# KiCad board ecpbreaker.kicad_pcb
title: ECPBreaker; date: 2020-12-28; rev: V0.1; company: GsD; note: 2020 (C) Greg Davill  <greg.davill@gmail.com>; note: License: CC-BY-SA 4.0
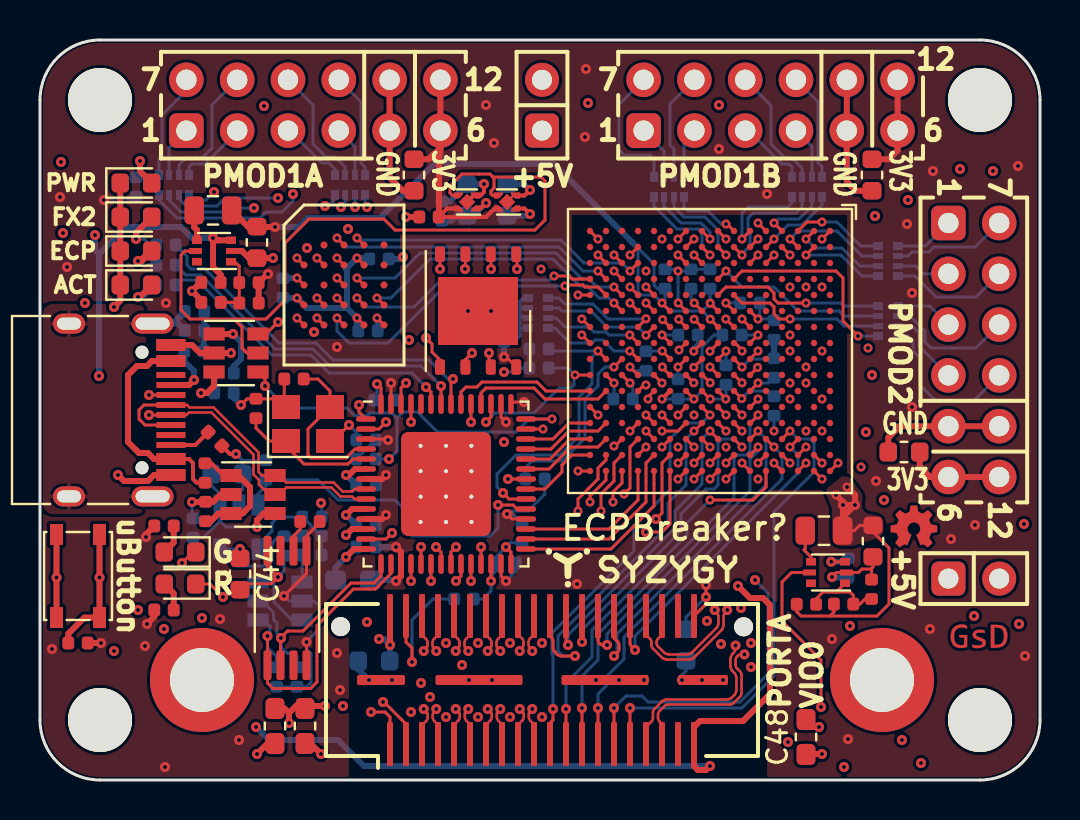
[diagram p0: board, top side]
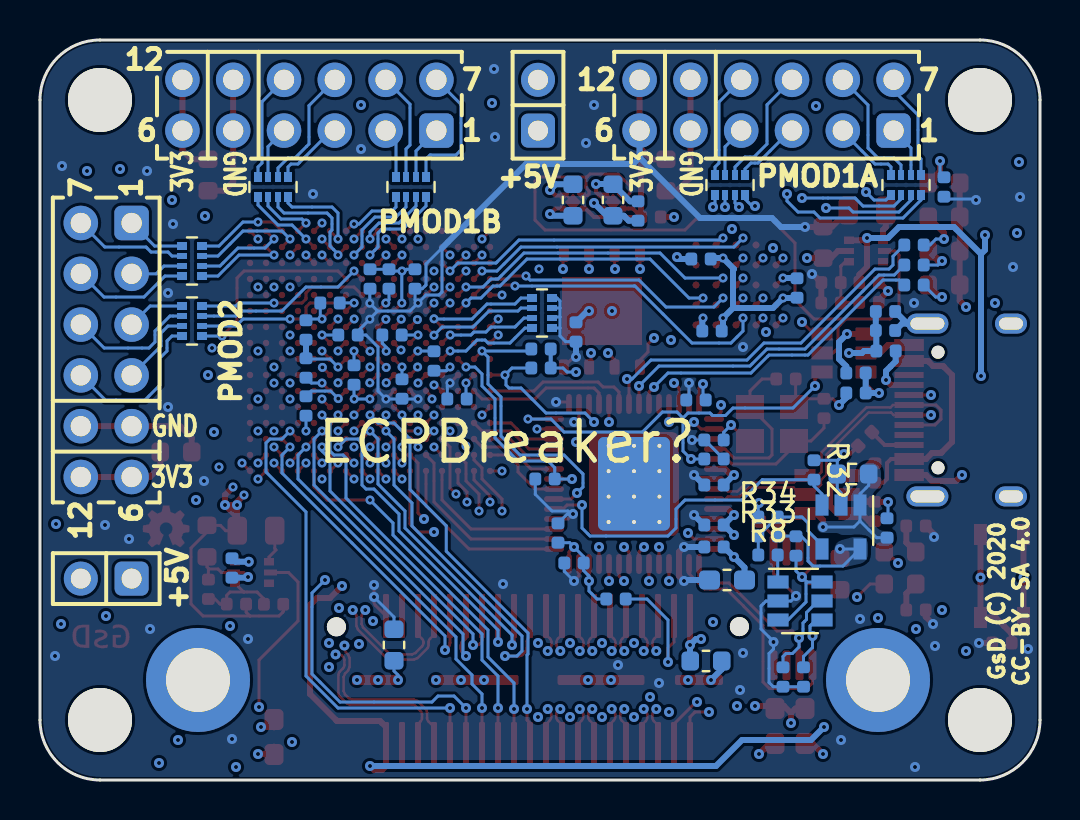
[diagram p1: board, bottom side, seen from below]

Outline 50 x 37 mm; copper layers: Top, In1.Cu, In2.Cu, In3.Cu, In4.Cu, Bottom. Coordinates in mm from the lower left corner of the outline.
Outline path: 0,34 arc(0.88,36.12) 3,37 47,37 arc(49.12,36.12) 50,34 50,3 arc(49.12,0.88) 47,0 3,0 arc(0.88,0.88) 0,3 0,34
Stack: Top 0.035mm / dielectric 0.274mm FR4 er 4.5 / In1.Cu 0.035mm / dielectric 0.274mm FR4 er 4.5 / In2.Cu 0.035mm / dielectric 0.274mm FR4 er 4.5 / In3.Cu 0.035mm / dielectric 0.274mm FR4 er 4.5 / In4.Cu 0.035mm / dielectric 0.274mm FR4 er 4.5 / Bottom 0.035mm

## Placement (name value [footprint] x y rotation side)
C1  4.7uF  [C_0603_1608Metric_Pad1.05x0.95mm_HandSolder]  15.65 10 180 bottom
C2  0.1uF  [C_0402_1005Metric]  29.15 19.05 180 bottom
C3  0.1uF  [C_0402_1005Metric]  32.55 25.05 90 bottom
C4  0.1uF  [C_0402_1005Metric]  16.3 11.65 180 bottom
C5  0.1uF  [C_0402_1005Metric]  34.6 22.25 0 bottom
C6  0.1uF  [C_0402_1005Metric]  16.3 14.75 180 bottom
C7  0.1uF  [C_0402_1005Metric]  31.25 25.05 90 bottom
C8  0.1uF  [C_0402_1005Metric]  34.3 20.25 90 bottom
C9  0.1uF  [C_0402_1005Metric]  16.3 12.75 180 bottom
C10  0.1uF  [C_0402_1005Metric]  24.1 12.35 270 bottom
C11  0.1uF  [C_0402_1005Metric]  31.9 19.55 90 bottom
C12  0.1uF  [C_0402_1005Metric]  17.2 19 180 bottom
C13  0.1uF  [C_0402_1005Metric]  16.3 17 180 bottom
C14  0.1uF  [C_0402_1005Metric]  23.3 10.85 180 bottom
C15  4.7uF  [C_0402_1005Metric]  8.55 24.88 180 top
C16  18p  [C_0402_1005Metric]  12.7 20.05 180 top
C17  18p  [C_0402_1005Metric]  10.8 18.58 90 top
C18  0.1uF  [C_0402_1005Metric]  8.27 13.42 90 top
C19  0.1uF  [C_0402_1005Metric]  7.73 22.48 0 bottom
C20  0.1uF  [C_0402_1005Metric]  20.1 28.45 90 bottom
C21  0.1uF  [C_0402_1005Metric]  16.4 22.45 0 bottom
C22  0.1uF  [C_0402_1005Metric]  23.2 22.4 90 bottom
C23  4.7uF  [C_0402_1005Metric]  40.4 10.6 270 bottom
C24  10uF  [C_0603_1608Metric]  23.35 29 90 bottom
C25  1uF  [C_0402_1005Metric]  36.7 18.7 270 bottom
C26  6.8pF  [C_0402_1005Metric]  10.45 23.85 180 top
C27  6.8pF  [C_0402_1005Metric]  40.18 8.8 0 top
C28  10uF  [C_0603_1608Metric]  10.85 26.88 270 top
C29  10uF  [C_0603_1608Metric]  41.65 11.94 270 top
C30  1uF  [C_0402_1005Metric]  33.5 25.05 90 bottom
C31  1uF  [C_0402_1005Metric]  35.5 23.85 0 bottom
C32  DNP  [C_0603_1608Metric]  18.7 30.25 90 top
C33  DNP  [C_0603_1608Metric]  41.6 30.25 90 top
C34  DNP  [C_0603_1608Metric]  43.2 16.4 0 top
C35  0.1uF  [C_0402_1005Metric]  36.7 20.6 270 bottom
C36  0.1uF  [C_0402_1005Metric]  30.3 20.95 270 bottom
C37  0.1uF  [C_0402_1005Metric]  32.4 22.25 0 bottom
C38  0.1uF  [C_0402_1005Metric]  36.7 22.5 90 bottom
C39  10uF  [C_0603_1608Metric]  16.7 5.95 180 bottom
C40  10uF  [C_0603_1608Metric]  32.3 6.75 270 bottom
C41  0.1uF  [C_0402_1005Metric]  12.15 24.6 90 bottom
C42  10uF  [C_0603_1608Metric]  21.35 29 90 bottom
C43  1uF  [C_0402_1005Metric]  16.95 26.05 0 bottom
C44  4.7uF  [C_0603_1608Metric]  10 10.3 270 top
C45  0.1uF  [C_0402_1005Metric]  12.2 11.7 270 bottom
C46  4.7uF  [C_0603_1608Metric]  9.35 15.3 0 bottom
C47  0.1uF  [C_0402_1005Metric]  7.65 12.6 90 bottom
C48  22uF  [C_0603_1608Metric_Pad1.05x0.95mm_HandSolder]  38.3 2.15 90 top
C49  22uF  [C_0603_1608Metric_Pad1.05x0.95mm_HandSolder]  13.25 2.7 90 top
C50  22uF  [C_0603_1608Metric_Pad1.05x0.95mm_HandSolder]  11.75 2.7 90 top
C51  4.7uF  [C_0402_1005Metric]  19.45 28.15 180 top
D1  GRN  [LED_0603_1608Metric]  4.8 29.85 0 top
D2  GRN  [LED_0603_1608Metric]  4.8 28.15 0 top
D3  GRN  [LED_0603_1608Metric]  4.8 26.45 0 top
D4  GRN  [LED_0603_1608Metric]  7 11.4 180 top
D5  RED  [LED_0603_1608Metric]  7 9.8 180 top
D6  YEL  [LED_0603_1608Metric]  4.8 24.75 0 top
FB1  220R  [L_0402_1005Metric]  8.25 15.35 90 top
G***  LOGO  [syzygy_logo]  30.3 10.6 0 top
G***#2  LOGO  [gsd_logo_small]  46.95 7.1 0 top
G***#3  LOGO  [oshw_small]  43.7 12.65 0 top
J1  SYZYGY-STD  [SYZYGY_standard_carrier]  25.1 5 0 top
J21  PMOD  [PMOD_Angled_2x06]  45.42 15.15 90 top
J22  5V AUX  [PinHeader_2x01_P2.54mm_Vertical]  45.42 10.07 0 top
J23  PMOD  [PMOD_Angled_2x06]  20.02 32.47 180 top
J24  USB_C_Receptacle_USB2.0  [USB_C_Receptacle_HRO_TYPE-C-31-M-12]  2.5 18.5 270 top
J26  5V AUX  [PinHeader_2x01_P2.54mm_Vertical]  25.1 32.47 90 top
J27  PMOD  [PMOD_Angled_2x06]  42.88 32.47 180 top
L3  2.2uH  [L_0805_2012Metric]  8.65 28.48 0 top
L4  2.2uH  [L_0805_2012Metric]  39.2 12.47 0 top
R1  20k  [R_0402_1005Metric]  4.8 29.65 90 bottom
R2  20k  [R_0402_1005Metric]  6.3 26.75 180 bottom
R3  33R  [R_Array_Convex_4x0402]  15.5 29.75 90 bottom
R4  33R  [R_Array_Convex_4x0402]  31.45 29.65 90 bottom
R5  20k  [R_0402_1005Metric]  6.3 25.75 180 bottom
R6  2k2  [R_0402_1005Metric]  6.3 24.75 180 bottom
R7  33R  [R_Array_Convex_4x0402]  42.4 25.95 180 bottom
R8  42k2  [R_0402_1005Metric]  13.6 11.25 180 bottom
R9  100k  [R_0402_1005Metric]  16.3 16.05 180 bottom
R10  210K  [R_0402_1005Metric]  10.45 24.87 0 top
R11  10k  [R_Array_Convex_4x0402]  24.9 23.35 0 bottom
R12  2k2  [R_0402_1005Metric]  11.83 5.15 270 bottom
R13  10K  [R_0402_1005Metric]  1.9 6.85 0 top
R14  330E  [R_0402_1005Metric]  6.2 12.7 180 top
R15  330E  [R_0402_1005Metric]  6.2 8.5 180 top
R16  33R  [R_Array_Convex_4x0402]  6.7 29.75 90 bottom
R17  33R  [R_Array_Convex_4x0402]  38.35 29.65 90 bottom
R18  33R  [R_Array_Convex_4x0402]  42.4 22.95 180 bottom
R19  10K  [R_0402_1005Metric]  24.95 21.55 0 bottom
R20  1k  [R_0402_1005Metric]  24.95 20.6 180 bottom
R21  5.1k  [R_0402_1005Metric]  7.7 21.45 180 bottom
R22  5.1k  [R_0402_1005Metric]  8.75 17.05 135 top
R23  47k  [R_0402_1005Metric]  8.55 23.88 0 top
R24  84k5  [R_0402_1005Metric]  38.32 8.78 180 top
R25  2k2  [R_0402_1005Metric]  12.85 5.15 270 bottom
R26  100k  [R_0402_1005Metric]  41.58 9.54 270 top
R27  DNP  [R_0402_1005Metric]  13.5 12.92 0 top
R28  100k  [R_0402_1005Metric]  7.73 23.42 0 bottom
R29  10K  [R_0402_1005Metric]  24.75 15.05 180 bottom
R30  24k3  [R_0402_1005Metric]  9.2 20.35 0 bottom
R31  10K  [R_0402_1005Metric]  9.2 19.35 180 bottom
R32  10K  [R_0402_1005Metric]  11.3 15.5 270 bottom
R33  33K  [R_0402_1005Metric]  13.6 12.2 180 bottom
R34  24k9  [R_0402_1005Metric]  13.6 13.15 180 bottom
R35  210K  [R_0402_1005Metric]  21.2 9.05 0 bottom
REF**  MH3  [MountingHole_3-5mm]  47 34 0 top
REF**#2  MH3  [MountingHole_3-5mm]  3 3 0 top
REF**#3  MH3  [MountingHole_3-5mm]  47 3 0 top
REF**#4  MH3  [MountingHole_3-5mm]  3 34 0 top
SW1  TACT  [SW_SPST_PTS810]  1.9 10.2 270 top
U1  TPD3S014  [SOT-23-6]  10.65 14.27 0 top
U2  CY7C68013A-56LTX  [Cypress_QFN-56-1EP_8x8mm_P0.5mm_EP4.5x5.6mm_ThermalVias]  20.3 14.8 0 top
U3  W25Q256  [WSON-8-1EP_6x5mm_P1.27mm_EP3.4x4mm]  21.9 23.45 270 top
U4  TLV62569DRL  [SOT-666]  8.7 26.45 180 top
U5  TLV62569DRL  [SOT-666]  39.4 10.38 180 top
U6  TLV725P  [Texas_X2SON-4_1x1mm_P0.65mm]  23.35 28.9 180 top
U7  CAT24C256W  [TSSOP-8_4.4x3mm_P0.65mm]  12.35 8.6 270 top
U8  ECP5U-12-CABGA256  [BGA-256_14.0x14.0mm_Layout16x16_P0.8mm_Ball0.45mm_Pad0.32mm_NSMD]  33.5 21.45 270 top
U9  IS66WVH16M8ALL  [BGA-24_8.0x6.0mm_Layout5x5_P0.8mm_Pad0.35mm_NSMD]  15.2 24.75 0 top
U10  LM3880MF-1AF  [SOT-23-6]  9.8 21.35 0 top
U11  TLV718P  [Texas_X2SON-4_1x1mm_P0.65mm]  21.35 28.9 180 top
U12  DAC081C081CIMK  [SOT-23-6]  12 8.95 180 bottom
U13  TPS73101DBV  [SOT-23-5]  9.95 12.65 270 bottom
Y1  24M  [Crystal_SMD_3225-4Pin_3.2x2.5mm]  13.4 17.8 0 top

## Library data of the parts
C1 C44 C46 = -: Mfg: Yageo; PN: CC0603KRX5R6BB475
C2-C14 C18-C22 C35-C38 C41 C45 C47 = -: Mfg: Yageo; PN: CC0402JRX7R7BB104
C15 C23 C51 = -: Mfg: Yageo; PN: CC0402MRX5R5BB475
C16 C17 = -: Mfg: Yageo; PN: CC0402JRNPO9BN180
C24 C28 C29 C39 C40 C42 = -: Mfg: Yageo; PN: CC0603KRX5R5BB106
C25 C30 C31 C43 = -: Mfg: Yageo; PN: CC0402KRX5R8BB105
C26 C27 = -: Mfg: Yageo; PN: CC0402BRNPO9BN6R8
C48-C50 = -: Mfg: Samsung Electro-Mechanics; PN: CL10A226MP8NUNE
D1-D4 = -: Mfg: EKINGLUX; PN: E6C0603YGAC1UDA
D5 = -: Mfg: EKINGLUX; PN: E6C0603URAC1UDA
D6 = -: Mfg: EKINGLUX; PN: E6C0603UYAC1UDA
FB1 = -: Mfg: Murata Electronics; PN: BLM15AX221SN1D
J1 = -: Mfg: Samtec Inc.; PN: QSE-020-01-F-D-A
J21 J23 J27 = -: Mfg: CJT(Changjiang Connectors); PN: A2541HWR-2x6P
J24 = -: Mfg: XKB Connectivity; PN: U262-161N-4BVC11
L3 L4 = -: Mfg: Sunltech Tech; PN: SLM20122R2MIT
R1 R2 R5 = -: Mfg: Yageo; PN: AC0402FR-0720KL
R3 R4 R7 R16-R18 = -: Mfg: Yageo; PN: YC124-JR-0733RL
R6 R12 R25 = -: Mfg: Yageo; PN: AC0402FR-072K2L
R8 = -: Mfg: Yageo; PN: AC0402FR-0742K2L
R9 R26 R28 = -: Mfg: Yageo; PN: AC0402FR-07100KL
R10 R35 = -: Mfg: Yageo; PN: AC0402FR-07210KL
R11 = -: Mfg: Yageo; PN: YC124-JR-0710KL
R13 R19 R29 R31 R32 = -: Mfg: Yageo; PN: AC0402FR-0710KL
R14 R15 = -: Mfg: Yageo; PN: AC0402FR-07330RL
R20 = -: Mfg: Yageo; PN: AC0402FR-071KL
R21 R22 = -: Mfg: Yageo; PN: AC0402FR-075K1L
R23 = -: Mfg: Yageo; PN: AC0402FR-0747KL
R24 = -: Mfg: Yageo; PN: AC0402FR-0784K5L
R30 = -: Mfg: Yageo; PN: AC0402FR-0724K3L
R33 = -: Mfg: Yageo; PN: AC0402FR-0733KL
R34 = -: Mfg: Yageo; PN: AC0402FR-0724K9L
SW1 = -: PN: PTS810SJK250SMTRLFS
U1 = -: Mfg: Texas Instruments; PN: TPD3S014DBVR
U2 = -: Mfg: Cypress; PN: CY7C68013A-56LTXC
U3 = -: Mfg: Winbond Elec; PN: W25Q256JVEIQ
U4 U5 = -: Mfg: Texas Instruments; PN: TLV62569DRLR
U6 = -: Mfg: Texas Instruments; PN: TLV74225PDQNR; SN-DK: 296-38493-1-ND
U7 = -: Mfg: ON Semiconductor; PN: CAT24C256YI-GT3
U8 = -: PN: LFE5U-12F-7BG256I
U9 = -: Mfg: ISSI, Integrated Silicon Solution Inc; PN: IS66WVH16M8ALL-166B1LI; SN-DK: 706-1548-ND
U10 = -: Mfg: Texas Instruments; PN: LM3880MF-1AA/NOPB
U11 = -: Mfg: Texas Instruments; PN: TLV73318PDQNR; SN-DK: 296-38538-1-ND
U12 = -: Mfg: Texas Instruments; PN: DAC081C081CIMK/NOPB
U13 = -: Mfg: Texas Instruments; PN: TPS73101DBVR
Y1 = -: Mfg: TAITIEN Elec; PN: XXHBBCNAOF-24.000000MHZ

## Footprints (pads in the part's own frame, mm; a bottom-side part is the same pattern mirrored in y, then rotated)
BGA-24_8.0x6.0mm_Layout5x5_P0.8mm_Pad0.35mm_NSMD
  round 0.35 smd: A2(-1,2) A3(0,2) A4(1,2) A5(2,2) B1(-2,1) B2(-1,1) B3(0,1) B4(1,1) B5(2,1) C1(-2,0) C2(-1,0) C3(0,0) C4(1,0) C5(2,0) D1(-2,-1) D2(-1,-1) D3(0,-1) D4(1,-1) D5(2,-1) E1(-2,-2) E2(-1,-2) E3(0,-2) E4(1,-2) E5(2,-2)
BGA-256_14.0x14.0mm_Layout16x16_P0.8mm_Ball0.45mm_Pad0.32mm_NSMD
  round 0.32 smd: A1(-6,6) A2(-5.2,6) A3(-4.4,6) A4(-3.6,6) A5(-2.8,6) A6(-2,6) A7(-1.2,6) A8(-0.4,6) A9(0.4,6) A10(1.2,6) A11(2,6) A12(2.8,6) A13(3.6,6) A14(4.4,6) A15(5.2,6) A16(6,6) B1(-6,5.2) B2(-5.2,5.2) B3(-4.4,5.2) B4(-3.6,5.2) B5(-2.8,5.2) B6(-2,5.2) B7(-1.2,5.2) B8(-0.4,5.2) B9(0.4,5.2) B10(1.2,5.2) B11(2,5.2) B12(2.8,5.2) B13(3.6,5.2) B14(4.4,5.2) B15(5.2,5.2) B16(6,5.2) C1(-6,4.4) C2(-5.2,4.4) C3(-4.4,4.4) C4(-3.6,4.4) C5(-2.8,4.4) C6(-2,4.4) C7(-1.2,4.4) C8(-0.4,4.4) C9(0.4,4.4) C10(1.2,4.4) C11(2,4.4) C12(2.8,4.4) C13(3.6,4.4) C14(4.4,4.4) C15(5.2,4.4) C16(6,4.4) D1(-6,3.6) D2(-5.2,3.6) D3(-4.4,3.6) D4(-3.6,3.6) D5(-2.8,3.6) D6(-2,3.6) D7(-1.2,3.6) D8(-0.4,3.6) D9(0.4,3.6) D10(1.2,3.6) D11(2,3.6) D12(2.8,3.6) D13(3.6,3.6) D14(4.4,3.6) D15(5.2,3.6) D16(6,3.6) E1(-6,2.8) E2(-5.2,2.8) E3(-4.4,2.8) E4(-3.6,2.8) E5(-2.8,2.8) E6(-2,2.8) E7(-1.2,2.8) E8(-0.4,2.8) E9(0.4,2.8) E10(1.2,2.8) E11(2,2.8) E12(2.8,2.8) E13(3.6,2.8) E14(4.4,2.8) E15(5.2,2.8) E16(6,2.8) F1(-6,2) F2(-5.2,2) F3(-4.4,2) F4(-3.6,2) F5(-2.8,2) F6(-2,2) F7(-1.2,2) F8(-0.4,2) F9(0.4,2) F10(1.2,2) F11(2,2) F12(2.8,2) F13(3.6,2) F14(4.4,2) F15(5.2,2) F16(6,2) G1(-6,1.2) G2(-5.2,1.2) G3(-4.4,1.2) G4(-3.6,1.2) G5(-2.8,1.2) G6(-2,1.2) G7(-1.2,1.2) G8(-0.4,1.2) G9(0.4,1.2) G10(1.2,1.2) G11(2,1.2) G12(2.8,1.2) G13(3.6,1.2) G14(4.4,1.2) G15(5.2,1.2) G16(6,1.2) H1(-6,0.4) H2(-5.2,0.4) H3(-4.4,0.4) H4(-3.6,0.4) H5(-2.8,0.4) H6(-2,0.4) H7(-1.2,0.4) H8(-0.4,0.4) H9(0.4,0.4) H10(1.2,0.4) H11(2,0.4) H12(2.8,0.4) H13(3.6,0.4) H14(4.4,0.4) H15(5.2,0.4) H16(6,0.4) J1(-6,-0.4) J2(-5.2,-0.4) J3(-4.4,-0.4) J4(-3.6,-0.4) J5(-2.8,-0.4) J6(-2,-0.4) J7(-1.2,-0.4) J8(-0.4,-0.4) J9(0.4,-0.4) J10(1.2,-0.4) J11(2,-0.4) J12(2.8,-0.4) J13(3.6,-0.4) J14(4.4,-0.4) J15(5.2,-0.4) J16(6,-0.4) K1(-6,-1.2) K2(-5.2,-1.2) K3(-4.4,-1.2) K4(-3.6,-1.2) K5(-2.8,-1.2) K6(-2,-1.2) K7(-1.2,-1.2) K8(-0.4,-1.2) K9(0.4,-1.2) K10(1.2,-1.2) K11(2,-1.2) K12(2.8,-1.2) K13(3.6,-1.2) K14(4.4,-1.2) K15(5.2,-1.2) K16(6,-1.2) L1(-6,-2) L2(-5.2,-2) L3(-4.4,-2) L4(-3.6,-2) L5(-2.8,-2) L6(-2,-2) L7(-1.2,-2) L8(-0.4,-2) L9(0.4,-2) L10(1.2,-2) L11(2,-2) L12(2.8,-2) L13(3.6,-2) L14(4.4,-2) L15(5.2,-2) L16(6,-2) M1(-6,-2.8) M2(-5.2,-2.8) M3(-4.4,-2.8) M4(-3.6,-2.8) M5(-2.8,-2.8) M6(-2,-2.8) M7(-1.2,-2.8) M8(-0.4,-2.8) M9(0.4,-2.8) M10(1.2,-2.8) M11(2,-2.8) M12(2.8,-2.8) M13(3.6,-2.8) M14(4.4,-2.8) M15(5.2,-2.8) M16(6,-2.8) N1(-6,-3.6) N2(-5.2,-3.6) N3(-4.4,-3.6) N4(-3.6,-3.6) N5(-2.8,-3.6) N6(-2,-3.6) N7(-1.2,-3.6) N8(-0.4,-3.6) N9(0.4,-3.6) N10(1.2,-3.6) N11(2,-3.6) N12(2.8,-3.6) N13(3.6,-3.6) N14(4.4,-3.6) N15(5.2,-3.6) N16(6,-3.6) P1(-6,-4.4) P2(-5.2,-4.4) P3(-4.4,-4.4) P4(-3.6,-4.4) P5(-2.8,-4.4) P6(-2,-4.4) P7(-1.2,-4.4) P8(-0.4,-4.4) P9(0.4,-4.4) P10(1.2,-4.4) P11(2,-4.4) P12(2.8,-4.4) P13(3.6,-4.4) P14(4.4,-4.4) P15(5.2,-4.4) P16(6,-4.4) R1(-6,-5.2) R2(-5.2,-5.2) R3(-4.4,-5.2) R4(-3.6,-5.2) R5(-2.8,-5.2) R6(-2,-5.2) R7(-1.2,-5.2) R8(-0.4,-5.2) R9(0.4,-5.2) R10(1.2,-5.2) R11(2,-5.2) R12(2.8,-5.2) R13(3.6,-5.2) R14(4.4,-5.2) R15(5.2,-5.2) R16(6,-5.2) T1(-6,-6) T2(-5.2,-6) T3(-4.4,-6) T4(-3.6,-6) T5(-2.8,-6) T6(-2,-6) T7(-1.2,-6) T8(-0.4,-6) T9(0.4,-6) T10(1.2,-6) T11(2,-6) T12(2.8,-6) T13(3.6,-6) T14(4.4,-6) T15(5.2,-6) T16(6,-6)
C_0402_1005Metric
  rrect 0.59x0.64 smd: 1(-0.485,0) 2(0.485,0)
C_0603_1608Metric
  rrect 0.875x0.95 smd: 1(-0.787,0) 2(0.787,0)
C_0603_1608Metric_Pad1.05x0.95mm_HandSolder
  rrect 1.05x0.95 smd: 1(-0.875,0) 2(0.875,0)
Crystal_SMD_3225-4Pin_3.2x2.5mm
  rect 1.4x1.2 smd: 1(-1.1,-0.85) 2(1.1,-0.85) 3(1.1,0.85) 4(-1.1,0.85)
Cypress_QFN-56-1EP_8x8mm_P0.5mm_EP4.5x5.6mm_ThermalVias
  rrect 1.62x1.3 smd: (-0.998,1.604) (-0.998,0.004) (-0.998,-1.596) (1.002,1.604) (1.002,0.004) (1.002,-1.596)
  oval 1x0.28 smd: 1(-4,3.25) 2(-4,2.75) 3(-4,2.25) 4(-4,1.75) 5(-4,1.25) 6(-4,0.75) 7(-4,0.25) 8(-4,-0.25) 9(-4,-0.75) 10(-4,-1.25) 11(-4,-1.75) 12(-4,-2.25) 13(-4,-2.75) 14(-4,-3.25) 29(4,-3.25) 30(4,-2.75) 31(4,-2.25) 32(4,-1.75) 33(4,-1.25) 34(4,-0.75) 35(4,-0.25) 36(4,0.25) 37(4,0.75) 38(4,1.25) 39(4,1.75) 40(4,2.25) 41(4,2.75) 42(4,3.25)
  oval 0.28x1 smd: 15(-3.25,-4) 16(-2.75,-4) 17(-2.25,-4) 18(-1.75,-4) 19(-1.25,-4) 20(-0.75,-4) 21(-0.25,-4) 22(0.25,-4) 23(0.75,-4) 24(1.25,-4) 25(1.75,-4) 26(2.25,-4) 27(2.75,-4) 28(3.25,-4) 43(3.25,4) 44(2.75,4) 45(2.25,4) 46(1.75,4) 47(1.25,4) 48(0.75,4) 49(0.25,4) 50(-0.25,4) 51(-0.75,4) 52(-1.25,4) 53(-1.75,4) 54(-2.25,4) 55(-2.75,4) 56(-3.25,4)
  round 0.6 hole 0.2: 57(-1.27,1.91) 57(-1.27,0.64) 57(-1.27,-0.63) 57(-1.27,-1.9) 57(0,1.91) 57(0,0.64) 57(0,-0.63) 57(0,-1.9) 57(1.27,1.91) 57(1.27,0.64) 57(1.27,-0.63) 57(1.27,-1.9)
  rrect 3.6x4.68 smd far side: 57(0,0.01)
  rrect 4.5x5.2 smd: 57(0,0)
L_0402_1005Metric
  rrect 0.59x0.64 smd: 1(-0.485,0) 2(0.485,0)
L_0805_2012Metric
  rrect 0.975x1.4 smd: 1(-0.938,0) 2(0.938,0)
LED_0603_1608Metric
  rrect 0.875x0.95 smd: 1(-0.787,0) 2(0.787,0)
MountingHole_3-5mm
  round 3.2 hole 3.2 unplated: (0,0)
PinHeader_2x01_P2.54mm_Vertical
  rrect 1.7x1.7 hole 1: 1(0,0)
  oval 1.7x1.7 hole 1: 2(2.54,0)
PMOD_Angled_2x06
  rrect 1.727x1.727 hole 1.016: 1(12.7,0)
  oval 1.727x1.727 hole 1.016: 2(10.16,0) 3(7.62,0) 4(5.08,0) 5(2.54,0) 7(12.7,-2.54) 8(10.16,-2.54) 9(7.62,-2.54) 10(5.08,-2.54) 11(2.54,-2.54) 12(0,-2.54)
  round 1.727 hole 1.016: 6(0,0)
R_0402_1005Metric
  rrect 0.59x0.64 smd: 1(-0.485,0) 2(0.485,0)
R_Array_Convex_4x0402
  rect 0.5x0.4 smd: 1(-0.5,0.75) 4(-0.5,-0.75) 5(0.5,-0.75) 8(0.5,0.75)
  rect 0.5x0.3 smd: 2(-0.5,0.25) 3(-0.5,-0.25) 6(0.5,-0.25) 7(0.5,0.25)
SOT-23-5
  rect 1.06x0.65 smd: 1(-1.1,0.95) 2(-1.1,0) 3(-1.1,-0.95) 4(1.1,-0.95) 5(1.1,0.95)
SOT-23-6
  rect 1.06x0.65 smd: 1(-1.1,0.95) 2(-1.1,0) 3(-1.1,-0.95) 4(1.1,-0.95) 5(1.1,0) 6(1.1,0.95)
SOT-666
  rect 0.5x0.375 smd: 1(-0.85,0.537) 3(-0.85,-0.537) 4(0.85,-0.537) 6(0.85,0.537)
  rect 0.65x0.3 smd: 2(-0.925,0) 5(0.925,0)
SW_SPST_PTS810
  rect 1.05x0.65 smd: 1(-2.075,1.075) 1(2.075,1.075) 2(-2.075,-1.075) 2(2.075,-1.075)
SYZYGY_standard_carrier
  round 5.2 hole 3.2: (-17,0) (17,0)
  round 0.95 hole 0.95 unplated: (-10.07,2.67) (10.08,2.66)
  rrect 0.3x2.2 smd: 1(-7.6,-3.2) 2(-7.6,3.2) 3(-6.8,-3.2) 4(-6.8,3.2) 5(-6,-3.2) 6(-6,3.2) 7(-5.2,-3.2) 8(-5.2,3.2) 9(-4.4,-3.2) 10(-4.4,3.2) 11(-3.6,-3.2) 12(-3.6,3.2) 13(-2.8,-3.2) 14(-2.8,3.2) 15(-2,-3.2) 16(-2,3.2) 17(-1.2,-3.2) 18(-1.2,3.2) 19(-0.4,-3.2) 20(-0.4,3.2) 21(0.4,-3.2) 22(0.4,3.2) 23(1.2,-3.2) 24(1.2,3.2) 25(2,-3.2) 26(2,3.2) 27(2.8,-3.2) 28(2.8,3.2) 29(3.6,-3.2) 30(3.6,3.2) 31(4.4,-3.2) 32(4.4,3.2) 33(5.2,-3.2) 34(5.2,3.2) 35(6,-3.2) 36(6,3.2) 37(6.8,-3.2) 38(6.8,3.2) 39(7.6,-3.2) 40(7.6,3.2)
  rrect 2.4x0.5 smd: 41(-8.05,0)
  rrect 4.35x0.5 smd: 41(-3.15,0) 41(3.15,0)
  rrect 2.5x0.5 smd: 41(8.05,0)
Texas_X2SON-4_1x1mm_P0.65mm
  custom 0.36x0.21 smd: (-0.43,0.325) (-0.43,-0.325) (0.43,0.325) (0.43,-0.325)
  custom 0.4x0.21 smd: (-0.43,0.325) (-0.43,-0.325) (0.43,0.325) (0.43,-0.325)
  custom 0.46x0.31 smd: 1(-0.43,0.325) 2(-0.43,-0.325) 3(0.43,-0.325) 4(0.43,0.325)
  rect 0.58x0.58 smd rot 45: 2(0,0)
TSSOP-8_4.4x3mm_P0.65mm
  rrect 1.475x0.4 smd: 1(-2.862,0.975) 2(-2.862,0.325) 3(-2.862,-0.325) 4(-2.862,-0.975) 5(2.862,-0.975) 6(2.862,-0.325) 7(2.862,0.325) 8(2.862,0.975)
USB_C_Receptacle_HRO_TYPE-C-31-M-12
  round 0.65 hole 0.65 unplated: (-2.89,2.6) (2.89,2.6)
  rect 0.6x1.45 smd: A1(-3.25,4.045) A4(-2.45,4.045) A9(2.45,4.045) A12(3.25,4.045) B1(3.25,4.045) B4(2.45,4.045) B9(-2.45,4.045) B12(-3.25,4.045)
  rect 0.3x1.45 smd: A5(-1.25,4.045) A6(-0.25,4.045) A7(0.25,4.045) A8(1.25,4.045) B5(1.75,4.045) B6(0.75,4.045) B7(-0.75,4.045) B8(-1.75,4.045)
  oval 1x2.1 hole 0.6x1.7: S1(-4.32,3.13) S1(4.32,3.13)
  oval 1x1.6 hole 0.6x1.2: S1(-4.32,-1.05) S1(4.32,-1.05)
WSON-8-1EP_6x5mm_P1.27mm_EP3.4x4mm
  rrect 1.37x1.61 smd: (-0.85,1) (-0.85,-1) (0.85,1) (0.85,-1)
  rrect 0.775x0.5 smd: 1(-2.837,1.91) 2(-2.837,0.64) 3(-2.837,-0.63) 4(-2.837,-1.9) 5(2.8,-1.9) 6(2.8,-0.63) 7(2.8,0.64) 8(2.8,1.91)
  rect 3.4x4 smd: 4(0,0)

## Nets
1V2EN: U5.5 U10.6
3V3EN: U4.5 U6.3 U10.5 U11.3
+1V1: C27.1 C29.1 C31.1 C35.1 C36.1 C37.1 C38.1 L4.2 R24.2 U8.G6 U8.G7 U8.G9 U8.L8 U8.L9 U8.L10
+1V8: C3.1 C20.1 C21.1 C41.1 C42.1 C43.1 U8.J6 U8.J7 U9.B4 U9.D1 U9.E4 U11.1
+2V5: C24.1 C25.1 U6.1 U8.G11 U8.L7
+3V3: C1.1 C2.1 C4.1 C5.1 C6.1 C7.1 C9.1 C10.1 C11.1 C12.1 C13.1 C14.1 C22.1 C26.1 C28.1 C30.1 C32.2 C33.2 C34.2 C40.1 C51.1 J1.40 J21.6 J21.12 J23.6 J23.12 J27.6 J27.12 L3.2 R1.1 R9.2 R10.2 R11.1 R11.2 R11.3 R11.4 R12.2 R13.2 R14.2 R15.2 R25.2 R27.2 R29.1 U2.3 U2.7 U2.11 U2.17 U2.27 U2.32 U2.43 U2.44 U2.55 U3.8 U6.4 U7.1 U7.8 U8.H6 U8.H7 U8.K11 U8.L6 U8.L11 U8.P10 U11.4 U12.2
+5V: C15.1 C23.1 C39.1 C46.1 C47.1 C48.1 C49.1 C50.1 J1.2 J22.1 J26.1 R30.2 U1.4 U4.3 U5.3 U10.1 U13.1
GND: C1.2 C2.2 C3.2 C4.2 C5.2 C6.2 C7.2 C8.2 C9.2 C10.2 C11.2 C12.2 C13.2 C14.2 C15.2 C16.2 C17.2 C18.2 C19.2 C20.2 C21.2 C22.2 C23.2 C24.2 C25.2 C28.2 C29.2 C30.2 C31.2 C32.1 C33.1 C34.1 C35.2 C36.2 C37.2 C38.2 C39.2 C40.2 C41.2 C42.2 C43.2 C44.2 C45.2 C46.2 C47.2 C48.2 C49.2 C50.2 C51.2 D1.1 D2.1 D3.1 D6.1 J1.41 J21.5 J21.11 J22.2 J23.5 J23.11 J24.A1 J24.A12 J24.B1 J24.B12 J26.2 J27.5 J27.11 R19.1 R20.2 R21.1 R22.1 R23.1 R26.1 R28.2 R31.1 R32.1 R34.1 R35.2 SW1.2 U1.2 U2.6 U2.10 U2.12 U2.14 U2.26 U2.28 U2.41 U2.53 U2.56 U2.57 U3.4 U4.2 U5.2 U6.2 U7.4 U8.A1 U8.A16 U8.D2 U8.D15 U8.F6 U8.F7 U8.F8 U8.F9 U8.F10 U8.F11 U8.G8 U8.G10 U8.H1 U8.H8 U8.H9 U8.H10 U8.H16 U8.J8 U8.J9 U8.J10 U8.K6 U8.K7 U8.K8 U8.K9 U8.K10 U8.N2 U8.N10 U8.N15 U8.R10 U8.T1 U8.T5 U8.T12 U8.T16 U9.B3 U9.C1 U9.E5 U10.2 U11.2 U12.3 U12.6 U13.2 Y1.2 Y1.4
/A0: U2.37 U8.R14
/A1: U2.38 U8.T14
/CLKIF: U2.13 U8.L16
/CLKREF: U2.54 U8.L15
/D0: U2.18 U8.M14
/D1: U2.19 U8.R16
/D2: U2.20 U8.K13
/D3: U2.21 U8.P15
/D4: U2.22 U8.N14
/D5: U2.23 U8.L14
/D6: U2.24 U8.R15
/D7: U2.25 U8.P16
/FLAGA: U2.29 U8.M16
/FLAGB: U2.30 U8.M15
/FLAGC: U2.31 U8.N16
/FLAGD: U2.40 U8.T13
/JTAG_TCK: R20.1 U2.45 U8.T10
/JTAG_TDI: U2.46 U8.R11
/JTAG_TDO: U2.47 U8.M10
/JTAG_TMS: U2.48 U8.T11
/LED_ACT: R6.1 U2.51
/LED_CY: R2.1 U2.49
/LED_FPGA: R5.1 U2.50
/OE: U2.35 U8.T15
/PGOOD: R30.1 R31.2 U10.3
/PKTEND: U2.39 U8.R13
/PMODS/P1A1: R16.3 U8.K1
/PMODS/P1A1x: J23.1 R16.6
/PMODS/P1A2: R16.1 U8.J3
/PMODS/P1A2x: J23.2 R16.8
/PMODS/P1A3: R3.4 U8.F2
/PMODS/P1A3x: J23.3 R3.5
/PMODS/P1A4: R3.2 U8.E3
/PMODS/P1A4x: J23.4 R3.7
/PMODS/P1A7: R16.4 U8.K2
/PMODS/P1A7x: J23.7 R16.5
/PMODS/P1A8: R16.2 U8.K3
/PMODS/P1A8x: J23.8 R16.7
/PMODS/P1A9: R3.3 U8.E1
/PMODS/P1A9x: J23.9 R3.6
/PMODS/P1A10: R3.1 U8.F3
/PMODS/P1A10x: J23.10 R3.8
/PMODS/P1B1: R4.3 U8.J1
/PMODS/P1B1x: J27.1 R4.6
/PMODS/P1B2: R4.1 U8.G1
/PMODS/P1B2x: J27.2 R4.8
/PMODS/P1B3: R17.4 U8.F1
/PMODS/P1B3x: J27.3 R17.5
/PMODS/P1B4: R17.2 U8.D1
/PMODS/P1B4x: J27.4 R17.7
/PMODS/P1B7: R4.4 U8.J2
/PMODS/P1B7x: J27.7 R4.5
/PMODS/P1B8: R4.2 U8.H2
/PMODS/P1B8x: J27.8 R4.7
/PMODS/P1B9: R17.3 U8.G2
/PMODS/P1B9x: J27.9 R17.6
/PMODS/P1B10: R17.1 U8.E2
/PMODS/P1B10x: J27.10 R17.8
/PMODS/P2_1: R7.8 U8.C1
/PMODS/P2_1x: J21.1 R7.1
/PMODS/P2_2: R7.6 U8.B1
/PMODS/P2_2x: J21.2 R7.3
/PMODS/P2_3: R18.8 U8.H5
/PMODS/P2_3x: J21.3 R18.1
/PMODS/P2_4: R18.6 U8.G5
/PMODS/P2_4x: J21.4 R18.3
/PMODS/P2_7: R7.7 U8.C2
/PMODS/P2_7x: J21.7 R7.2
/PMODS/P2_8: R7.5 U8.B2
/PMODS/P2_8x: J21.8 R7.4
/PMODS/P2_9: R18.7 U8.H4
/PMODS/P2_9x: J21.9 R18.2
/PMODS/P2_10: R18.5 U8.G4
/PMODS/P2_10x: J21.10 R18.4
/RAM/FLASH_CS: R11.7 U3.1 U8.N8
/RAM/FLASH_MISO|IO1: U3.2 U8.T7
/RAM/FLASH_MOSI|IO0: U3.5 U8.T8
/RAM/FLASH_SCK: R11.8 U3.6 U8.N9
/RAM/FLASH_~{HLD}|~{RST}|IO3: R11.5 U3.7 U8.N7
/RAM/FLASH_~{WP}|IO2: R11.6 U3.3 U8.M7
/RAM/HRAM_CLK: U8.N5 U9.B2
/RAM/HRAM_CLK#: U8.N6 U9.B1
/RAM/HRAM_CS: U8.R4 U9.A3
/RAM/HRAM_DQ0: U8.P4 U9.D3
/RAM/HRAM_DQ1: U8.R3 U9.D2
/RAM/HRAM_DQ2: U8.P5 U9.C4
/RAM/HRAM_DQ3: U8.T4 U9.D4
/RAM/HRAM_DQ4: U8.P6 U9.D5
/RAM/HRAM_DQ5: U8.R5 U9.E3
/RAM/HRAM_DQ6: U8.M5 U9.E2
/RAM/HRAM_DQ7: U8.M6 U9.E1
/RAM/HRAM_RST: U8.N3 U9.A4
/RAM/HRAM_RWDS: U8.P3 U9.C3
/RD: U2.1 U8.M13
/SHLD: C19.1 J24.S1 R28.1
/SYZYGY/C2P_CLK_N: J1.36 U8.J15
/SYZYGY/C2P_CLK_P: J1.34 U8.J16
/SYZYGY/D0_N: J1.7 U8.B15
/SYZYGY/D0_P: J1.5 U8.B16
/SYZYGY/D1_N: J1.8 U8.G15
/SYZYGY/D1_P: J1.6 U8.F16
/SYZYGY/D2_N: J1.11 U8.C15
/SYZYGY/D2_P: J1.9 U8.C16
/SYZYGY/D3_N: J1.12 U8.J14
/SYZYGY/D3_P: J1.10 U8.K14
/SYZYGY/D4_N: J1.15 U8.E15
/SYZYGY/D4_P: J1.13 U8.D16
/SYZYGY/D5_N: J1.16 U8.H15
/SYZYGY/D5_P: J1.14 U8.G16
/SYZYGY/D6_N: J1.19 U8.G12
/SYZYGY/D6_P: J1.17 U8.G13
/SYZYGY/D7_N: J1.20 U8.H12
/SYZYGY/D7_P: J1.18 U8.H13
/SYZYGY/P2C_CLK_N: J1.35 U8.K15
/SYZYGY/P2C_CLK_P: J1.33 U8.K16
/SYZYGY/R_GA: J1.4 R35.1
/SYZYGY/S16: J1.21 U8.J12
/SYZYGY/S17: J1.22 U8.J13
/SYZYGY/S18: J1.23 U8.E16
/SYZYGY/S19: J1.24 U8.H14
/SYZYGY/S20: J1.25 U8.F13
/SYZYGY/S21: J1.26 U8.G14
/SYZYGY/S22: J1.27 U8.E14
/SYZYGY/S23: J1.28 U8.F15
/SYZYGY/S24: J1.29 U8.F12
/SYZYGY/S25: J1.30 U8.F14
/SYZYGY/S26: J1.31 U8.D14
/SYZYGY/S27: J1.32 U8.C14
/SYZYGY/VIO1: C8.1 C44.1 C45.1 J1.39 R33.2 U8.H11 U8.J11 U13.5
/USB_N: J24.A7 J24.B7 U1.5 U2.9
/USB_P: J24.A6 J24.B6 U1.6 U2.8
/VUSB: C18.1 FB1.2 U1.1 U1.3
/WR: U2.2 U8.L13
/XTALIN: C17.1 U2.5 Y1.1
/XTALOUT: C16.1 U2.4 Y1.3
/~{BUTTON}: R13.1 SW1.1 U8.K12
/~{CY_RESET}: R9.1 U2.42 U10.4
/~{LEDG}: D4.1 U8.P14
/~{LEDR}: D5.1 U8.N13
FPGA_DONE: R29.2 U2.36 U8.P9
SCL: J1.1 R25.1 U2.15 U7.6 U8.N11 U12.5
SDA: J1.3 R12.1 U2.16 U7.5 U8.M11 U12.4
VIO_EN: R32.2 U2.33 U13.3
~{FPGA_RESET}: R19.2 U2.34 U8.R9
Net-(C26-Pad2): C26.2 R10.1 R23.2 U4.1
Net-(C27-Pad2): C27.2 R24.1 R26.2 U5.1